# Allegro board BRD-05058-01_B04.brd (continued)
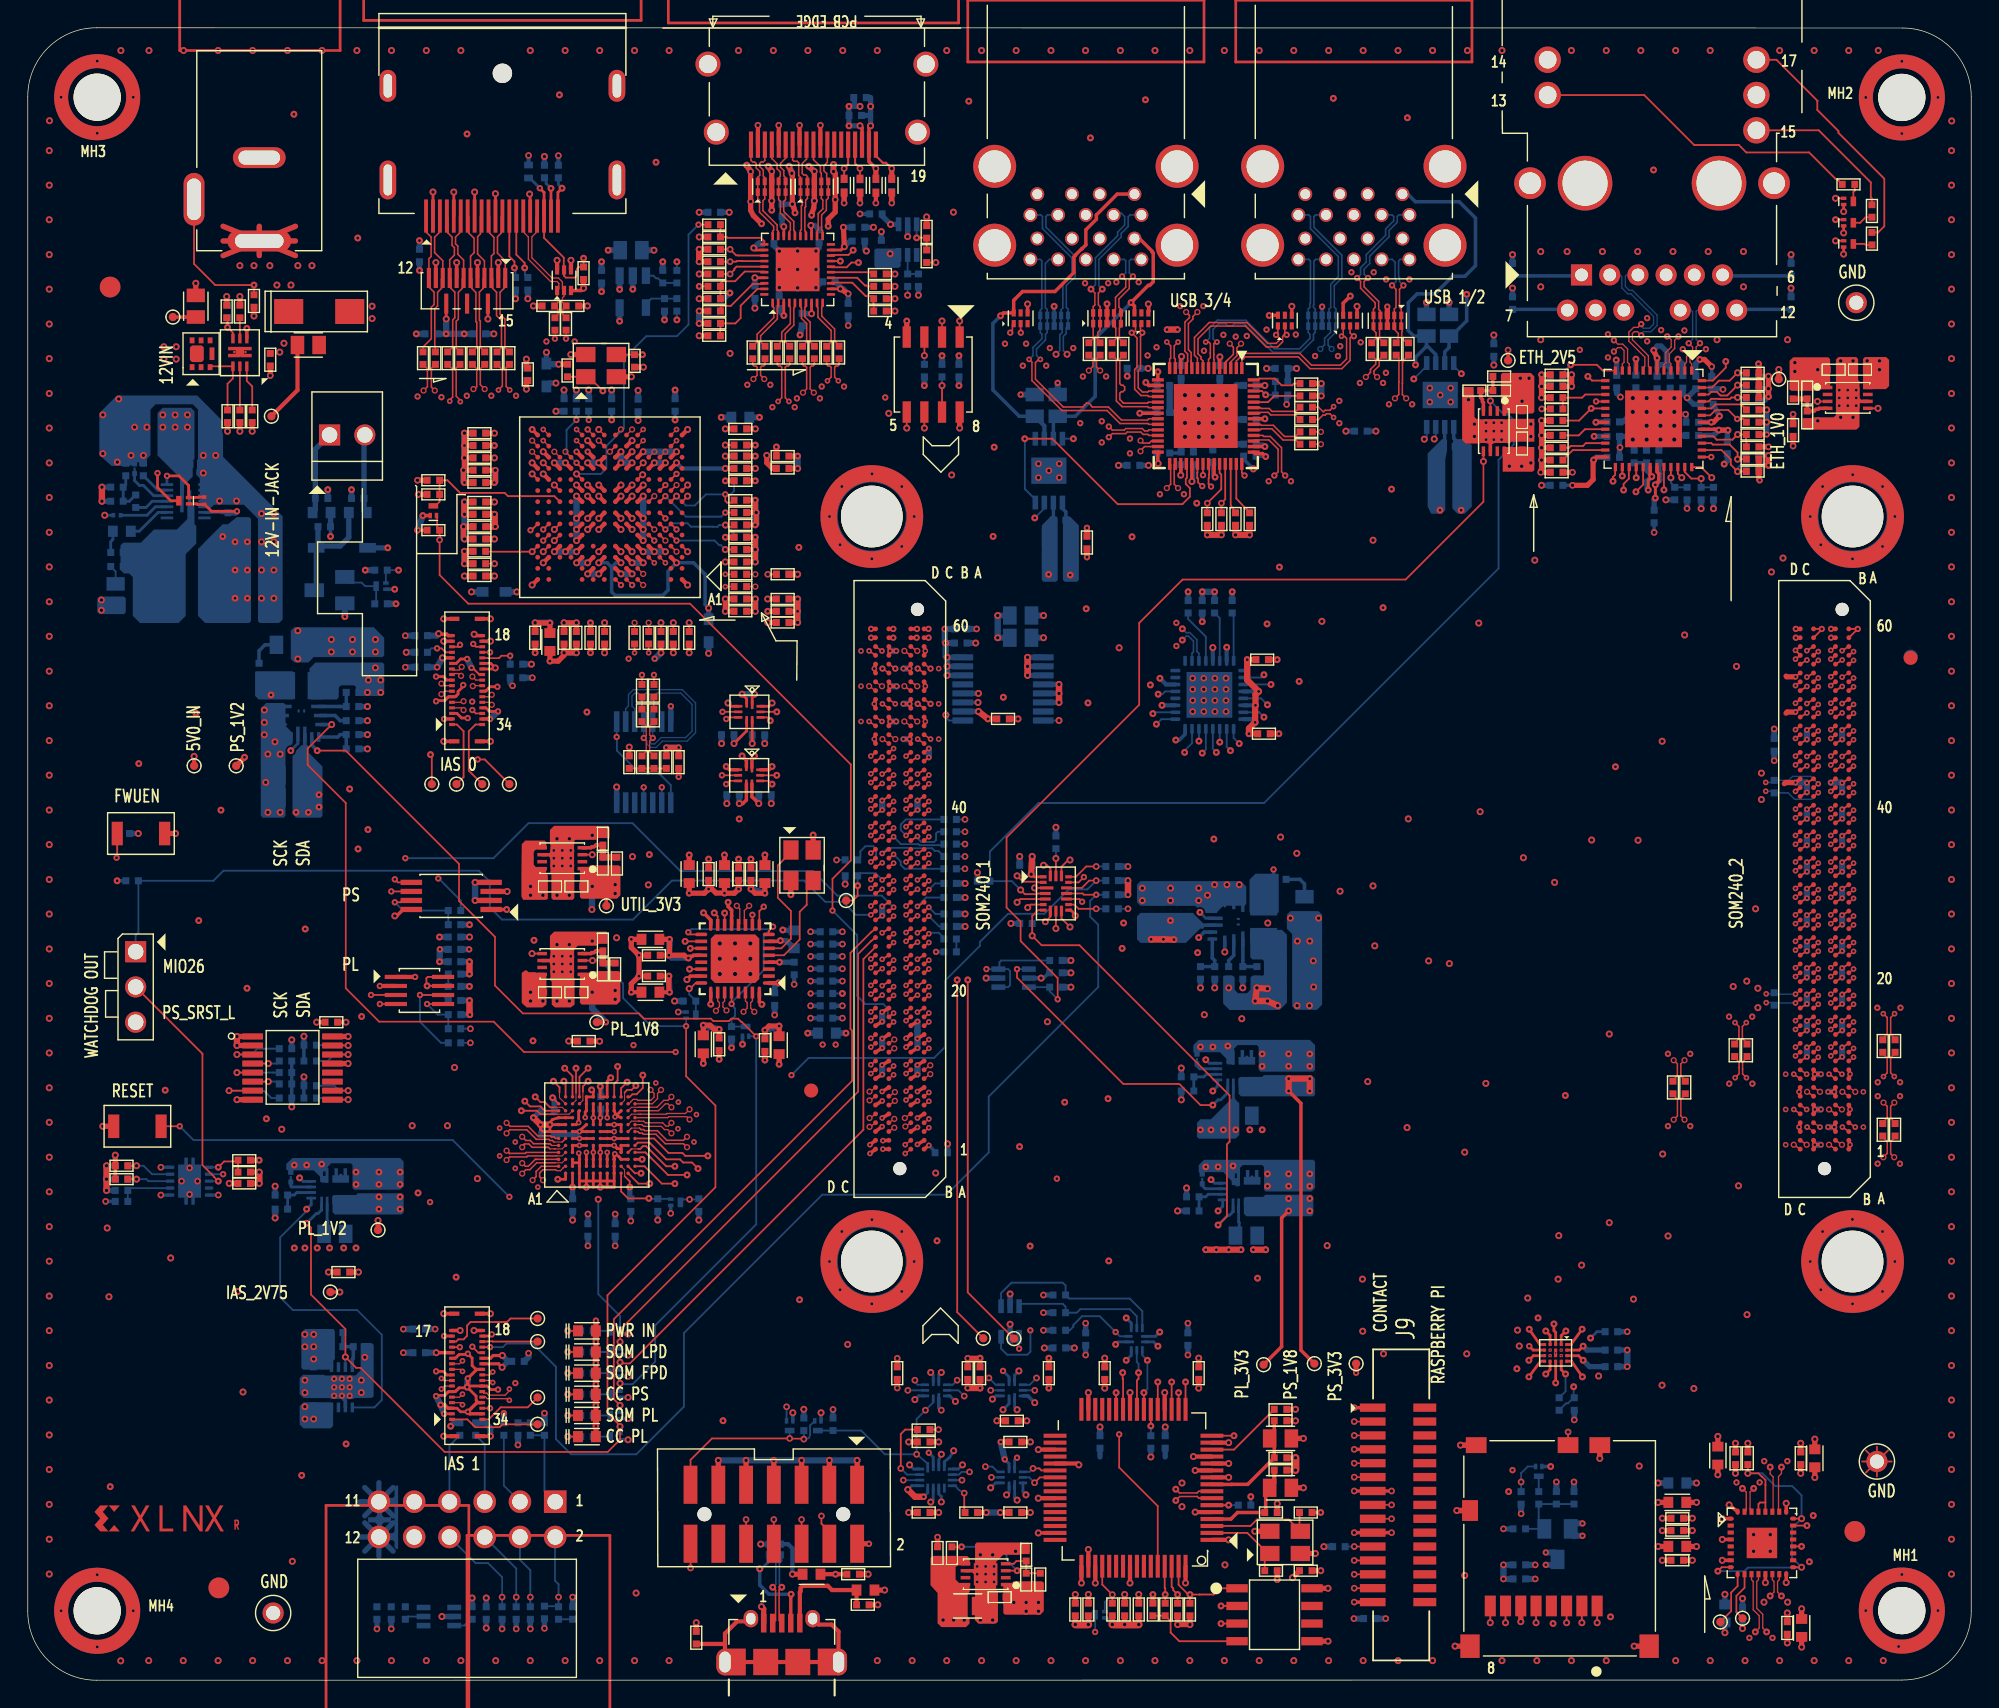
[diagram p0: board, top side]
## Routing (per net, layer and track width the routed paths; a pad name or vN(x,y) marks a point on that pad's centre or on a via; arc(x,y) is an arc through that point) (continued)
  BOTTOM w0.132: R287.2 v1(31.89,45.9)
USB_HUB_SMDAT: length 90.9
  TOP w0.127: R216.2 v1(85.99,84.76) 86.26,85.04 U43.39
  L10_SIG w0.102: v1(85.99,84.76) 84.97,83.74 84.94,83.74 79.52,78.33 49.75,78.33 49.28,77.86 46.31,77.86 35.5,67.05 34.44,67.05 25.23,57.84 25.23,53.72 25.92,53.04 27.64,53.04 31.02,49.66 31.02,47.78 v1(31.89,46.92)
  BOTTOM w0.132: R286.2 v1(31.89,46.92)
USB_JTAG_DM_N: length 42.3
  TOP w0.114: v6(53.67,6.69) 53.87,6.49 53.87,4.32 J4.2 ; v6(82.7,12.94) 82.99,13.23 84.24,13.23 84.37,13.11 U24.7
  L03_SIG w0.112: v6(53.67,6.69) 53.86,6.5 53.86,5.44 54.12,5.18 55.82,5.18 55.97,5.33 59.31,5.33 60.07,4.57 62.47,4.57 63.81,5.91 70.31,5.91 72.72,8.32 76.86,8.32 81.76,13.22 82.42,13.22 v6(82.7,12.94)
  BOTTOM w0.114: X1.2 53.82,8.58 53.89,8.51 53.89,6.92 v6(53.67,6.69)
USB_JTAG_DM_P: length 42.3
  TOP w0.114: v6(82.7,13.75) 82.97,13.48 84.23,13.48 84.36,13.61 U24.8 ; v6(54.32,6.69) 54.13,6.5 54.13,4.3 J4.3
  L03_SIG w0.112: v6(82.7,13.75) 82.42,13.48 81.66,13.48 76.76,8.57 72.61,8.57 70.2,6.16 64.99,6.16 64.88,6.27 64.88,6.39 64.77,6.5 64.55,6.5 64.44,6.39 64.44,6.27 64.32,6.16 63.7,6.16 62.36,4.82 60.17,4.82 59.41,5.58 55.87,5.58 55.72,5.43 54.23,5.43 54.12,5.54 54.12,6.5 v6(54.32,6.69)
  BOTTOM w0.114: X1.1 54.32,8.6 54.14,8.42 54.14,6.87 v6(54.32,6.69)
USB_JTAG_FLTR: length 1.9
  TOP w0.305: L4.1 v6(58.19,7.63) C87.1
  vias: v4(65.94,4.33) v4(66.7,4.33) v4(67.46,4.33)
USB_JTAG_VBUS: length 5.4
  TOP w0.381: v4(52.86,5.3) 53.02,5.14 J4.1 ; C88.1 v4(61.23,5.43) ; L4.2 v4(55.08,7.63)
  BOTTOM w0.305: X1.6 54.78,9.8 55.08,9.49 v4(55.08,7.63)
USB_JTAG_VCORE: length 7.9
  TOP w0.305: U24.12 v4(86.51,15.61) ; U24.64 v4(83.4,7) ; U24.49 v4(75.9,7) ; v4(75.72,15.51) 75.62,15.61 U24.37
  TOP w0.381: C95.1 v4(75.46,6.18) ; C97.1 v4(80.03,6.18)
  BOTTOM w0.381: C96.1 81.94,16.08 ; C98.1 77.24,16.08
USB_JTAG_VPHY: length 7.3
  TOP w0.254: U24.4 86.67,11.61 87.15,12.08 C82.1 89.18,12.15 89.18,13.57 L2.2
  TOP w0.305: C83.1 89.79,14.19 L2.2
USB_JTAG_VPLL: length 8.2
  TOP w0.254: C85.1 89.79,17.74 L3.2 89.79,17.08 C84.1 87.89,14.11 86.73,14.11 86.72,14.1 85.31,14.1 U24.9
USB_PHY_MODE1: length 2.8
  TOP w0.127: U19.12 75.4,55.86 75.7,55.55 v1(76.97,55.55)
  BOTTOM w0.132: R288.1 v1(76.97,55.55)
USB_PHY_REFCLK: length 65.7
  TOP w0.132: v6(47.67,51.21) U17.22
  L03_SIG w0.102: v6(47.67,51.21) 48.48,51.21 48.77,50.92 48.77,48.11 49.6,47.27 52.57,47.27 52.9,47.6 52.9,47.84 53.72,48.66 55.34,48.66 55.7,49.02 56.66,49.02 57.5,49.86 57.5,55.51 57.62,55.63 57.62,59.33 59.59,61.3 59.59,65.11 60.55,66.08 65.06,66.08 67.24,68.25 75.7,68.25 80.26,72.81 88.64,72.81 v6(89.05,72.4)
  BOTTOM w0.132: v6(89.05,72.4) 88.85,72.21 U37.26
USB_PHY_RESET_B: length 27.6
  TOP w0.132: U19.19 v4(74.06,59.18)
  L10_SIG w0.102: v6(89.56,71.71) 89.94,71.33 89.94,69.22 89.51,68.79 89.51,67.15 82.05,59.7 74.59,59.7 v4(74.06,59.18)
  BOTTOM w0.132: U37.27 v6(89.56,71.71) ; R210.2 v4(74.06,59.18)
USB_PRT_CTL1: length 26.7
  TOP w0.127: U43.36 85.1,87.55 85.1,86.83 85.09,86.82 85.09,86.58 85.06,86.55 85.06,86.14 v2(85.24,85.96)
  L05_SIG w0.102: v2(85.24,85.96) 85.74,85.96 87.46,87.69 88.97,87.69 88.99,87.67 99.6,87.67 v4(101.32,89.38)
  L12_SIG w0.102: v6(103.27,94.09) 103.27,91.34 v4(101.32,89.38)
  BOTTOM w0.132: v4(101.32,89.38) 101.43,89.49 U45.3 ; v6(103.27,94.09) 102.73,94.64 U45.8
USB_PRT_CTL2: length 25
  TOP w0.127: v2(84.66,86.78) U43.35
  L05_SIG w0.102: v4(100.6,89.37) 87.25,89.37 v2(84.66,86.78)
  L12_SIG w0.102: v4(100.6,89.37) 100.23,89.75 100.23,93.33 v6(99.85,93.71)
  BOTTOM w0.132: U45.5 100.78,94.64 v6(99.85,93.71) ; U45.4 100.78,89.54 v4(100.6,89.37)
USB_PRT_CTL3: length 21.8
  TOP w0.127: U43.34 84.26,86.97 84.24,86.95 84.24,86.61 84.26,86.59 84.26,86.56 84.31,86.51 84.31,86.26 84.57,85.99 v2(84.61,85.99)
  L05_SIG w0.102: v2(84.61,85.99) 84.29,85.68 83.95,85.68 83.8,85.83 82.1,85.83 81.51,86.41 78.31,86.41 v6(75.32,89.4) 74.95,89.03 74.95,86.11 v6(72.54,83.7)
  BOTTOM w0.132: v6(72.54,83.7) 73.23,84.39 U47.3 ; U47.8 v6(75.32,89.4)
USB_PRT_CTL4: length 22.3
  TOP w0.127: U43.32 83.5,87.55 83.5,86.6 83.42,86.51 83.42,86.14 83.72,85.85 83.72,85.23
  TOP w0.132: 83.72,85.23 83.18,84.7 78.51,84.7 73.8,89.4 v6(71.82,89.4)
  BOTTOM w0.132: U47.4 72.58,85.03 71.83,85.78 71.83,89.39 v6(71.82,89.4) U47.5
USB_PWRD_VCCIO: length 37.3
  TOP w0.305: U24.20 v4(81.9,20.71) ; U24.50 v4(76.4,9.41) ; U24.42 v4(72.8,13.11) ; U24.31 v4(76.4,20.71) ; U24.56 v4(79.4,7)
  TOP w0.381: L3.1 v4(91.9,17.41) ; C99.1 v4(76.4,6.18) ; C94.1 v4(93.14,7.89) ; C100.1 v4(79.02,6.18) ; C93.1 v6(73.56,21.04) ; C105.1 v4(84.35,21.03) ; C325.1 v4(72.22,12.08) ; R77.1 v4(83.72,4.01) v4(82.83,4.01) R76.1 ; C80.1 v4(65.62,17.16) ; C90.1 v1(62.63,23.18) ; C102.1 v4(77.58,21.03) ; R74.1 v6(81.05,6.17) ; C101.1 v4(71.97,18.68) ; U26.8 v4(93.67,6.62) ; R75.1 v4(91.33,19.51) ; L2.1 v4(91.9,13.86)
  BOTTOM w0.203: U65.10 71.69,13.57 v4(71.91,13.35) ; U22.4 66.03,15.73 66.43,16.07 v4(66.7,16.52) ; v4(66.83,20.08) 66.43,20.48 U25.10 ; v6(81.41,24.06) 81.11,24.36 U71.7 ; U65.7 71.09,15.85 v2(71.26,16.02) ; U71.10 79.49,23.4 v6(79.13,23.04) ; U25.7 65.63,21.98 v4(65.81,22.17) ; v4(65.81,16.27) 65.63,15.87 U22.3 ; U71.6 81.23,24.76 v6(81.54,25.07) ; U71.1 78.55,24.36 v6(78.37,24.18) ; v4(71.4,22.27) 71.09,21.97 U64.7
  BOTTOM w0.254: v4(72.54,19.99) 72.05,20.48 U64.10
  BOTTOM w0.381: R233.1 v1(58.01,19.5) ; C355.1 v1(76.21,23.42) ; R268.1 v1(73.17,25.2) ; R235.1 v4(80.9,16.08) ; C86.1 v4(73.23,23.93) ; C356.1 v1(83.57,25.71) ; R234.1 v4(55.9,19.51) ; U23.5 v4(70.76,25.63) ; R266.1 v1(73.17,27.74) ; R267.1 v1(73.17,26.47)
  vias: v4(71.03,5.6) v4(71.92,5.6) v4(71.92,4.97) v4(72.81,5.6) v4(72.81,4.97)
USB_RBIAS: length 3.6
  TOP w0.132: R221.1 91.21,93.38 91.08,93.25 90.33,93.25 89.84,93.73 88.7,93.73 88.6,93.64 U43.56
USB_SSRX1_N: length 18.6
  TOP w0.114: v3(84.85,96.37) 85.07,96.37 85.19,96.25 85.19,95.58 85.19,95.58 85.19,95.24 85.06,95.12 U43.7
  BOTTOM w0.114: v3(84.85,96.37) 85.13,96.65 85.13,97.38 85.69,97.94 85.79,97.94 85.79,97.94 87.75,97.94 89.81,95.88 91.61,95.88 92.36,96.63 92.36,96.93 92.24,97.06 U66.10 U66.1 92.24,98.74 92.36,98.87 92.36,99.13 92.4,99.17 92.4,102.21 92.29,102.32 U44.14
USB_SSRX1_P: length 18.6
  TOP w0.114: U43.6 85.46,95.09 85.44,95.12 85.44,95.48 85.44,95.48 85.44,96.25 85.55,96.37 v3(85.67,96.37)
  BOTTOM w0.114: v3(85.67,96.37) 85.61,96.37 85.39,96.59 85.39,97.28 85.79,97.68 86.3,97.68 86.45,97.53 86.76,97.53 86.91,97.68 87.64,97.68 89.7,95.63 91.72,95.63 92.62,96.53 92.62,96.93 92.74,97.06 U66.9 U66.2 92.74,98.74 92.62,98.87 92.62,99.03 92.65,99.06 92.65,102.21 92.77,102.32 U44.15
USB_SSRX2_N: length 28
  TOP w0.114: v3(82.05,96.37) 82.33,96.09 82.33,95.22 82.26,95.15 U43.14
  L12_SIG w0.112: v3(82.05,96.37) 82.33,96.09 82.33,95.15 82.95,94.53 87.12,94.53 87.71,95.11 90.86,95.11 92.21,96.46 93.28,96.46 93.39,96.35 93.39,96.15 v8(93.11,95.87)
  BOTTOM w0.114: v8(93.11,95.87) 93.42,96.17 93.42,96.63 93.85,97.06 93.85,97.4 U66.7 U66.4 93.74,98.74 93.86,98.87 93.86,100.53 94.41,101.08 94.41,102.52 92.4,104.53 92.4,105.41 92.29,105.52 U44.5
USB_SSRX2_P: length 28
  TOP w0.114: U43.13 82.66,95.15 82.59,95.22 82.59,96.09 v3(82.87,96.37)
  L12_SIG w0.112: v8(93.93,95.87) 93.65,96.15 93.65,96.46 93.39,96.72 92.11,96.72 90.75,95.37 87.6,95.37 87.02,94.78 83.06,94.78 82.59,95.25 82.59,96.09 v3(82.87,96.37)
  BOTTOM w0.114: v8(93.93,95.87) 93.76,96.03 93.76,96.05 93.67,96.14 93.67,96.53 94.16,97.01 94.16,97.43 U66.6 U66.5 94.24,98.74 94.12,98.87 94.12,100.43 94.66,100.97 94.66,102.63 92.65,104.64 92.65,105.02 92.65,105.02 92.65,105.41 92.77,105.52 U44.6
USB_SSRX3_N: length 20.4
  TOP w0.114: U43.23 80.75,90.44 80.7,90.5 78.68,90.5 77.75,91.44 74.49,91.44 72.34,93.59 72.34,94.91 v3(72.13,95.12)
  BOTTOM w0.114: v3(72.13,95.12) 72.41,95.4 72.41,95.97 73.06,96.62 73.06,96.93 72.94,97.06 U69.10 U69.1 72.94,98.66 73.05,98.77 73.05,102.21 72.93,102.32 U46.14
USB_SSRX3_P: length 20.4
  TOP w0.114: v3(72.95,95.12) 72.83,95.12 72.59,94.88 72.59,93.7 74.6,91.69 76,91.69 76.12,91.8 76.12,91.83 76.26,91.97 76.44,91.97 76.58,91.83 76.58,91.8 76.69,91.69 77.85,91.69 78.79,90.75 80.66,90.75 80.75,90.84 U43.22
  BOTTOM w0.114: U46.15 73.6,102.32 73.3,102.02 73.3,98.85 73.44,98.71 U69.2 U69.9 73.44,97.06 73.31,96.93 73.31,96.51 72.67,95.87 72.67,95.4 v3(72.95,95.12)
USB_SSRX4_N: length 32
  TOP w0.114: v5(82.87,85.85) 82.59,86.13 82.59,87.52 U43.30
  L03_SIG w0.112: v5(82.87,85.85) 82.59,85.57 82.59,85.07 82.27,84.75 78.25,84.75 74.62,88.38 74.62,93.99 74.34,94.27 74.34,95.22 v4(74.07,95.49)
  BOTTOM w0.114: U46.5 72.98,105.52 73.1,105.41 73.1,104.54 75.21,102.43 75.21,101.18 74.56,100.53 74.56,98.81 74.44,98.69 U69.4 U69.7 74.52,97.44 74.52,97.05 74.34,96.88 74.34,95.76 v4(74.07,95.49)
USB_SSRX4_P: length 32
  TOP w0.114: v5(82.05,85.85) 82.33,86.13 82.33,87.52 U43.29
  L03_SIG w0.112: v4(74.87,95.49) 74.6,95.22 74.6,94.38 74.88,94.1 74.88,88.48 78.36,85 79.91,85 80.02,85.11 80.02,85.42 80.13,85.54 80.36,85.54 80.47,85.42 80.47,85.11 80.58,85 82.16,85 82.33,85.17 82.33,85.57 v5(82.05,85.85)
  BOTTOM w0.114: v4(74.87,95.49) 74.6,95.76 74.6,96.77 74.8,96.98 74.8,97.38 U69.6 U69.5 74.94,98.74 74.81,98.87 74.81,100.43 75.46,101.08 75.46,102.53 73.35,104.64 73.35,105.4 73.47,105.52 U46.6
USB_SSTX1_C_N: length 7.3
  TOP w0.112: C280.1 98.73,96.47 98.73,96.99 98.44,97.28 U67.9 ; v2(98.28,100.45) 98.57,100.16 98.57,98.87 98.44,98.74 U67.2
  TOP w0.114: U67.9 U67.2
  BOTTOM w0.114: U44.17 98.29,102.32 98.5,102.11 98.5,100.95 98.57,100.89 98.57,100.73 v2(98.28,100.45)
USB_SSTX1_C_P: length 7.3
  TOP w0.112: C282.1 99.33,96.32 99.01,96.63 99.01,96.64 98.98,96.68 98.98,97.09 99.01,97.12 99.01,97.45 U67.10 ; U67.1 98.94,98.74 98.82,98.87 98.82,100.16 v2(99.1,100.45)
  TOP w0.114: U67.10 U67.1
  BOTTOM w0.114: U44.18 98.87,102.32 98.75,102.21 98.75,101.05 98.82,100.99 98.82,100.73 v2(99.1,100.45)
USB_SSTX1_N: length 20.5
  TOP w0.114: v5(86.59,96.25) 86.85,95.99 86.85,95.49 86.47,95.11 86.46,95.11 86.35,95 86.35,94.99 86.26,94.9 U43.4 ; C280.2 98.77,95.22 98.77,93.5 98.77,93.5 98.77,92.59 v5(98.49,92.31)
  L03_SIG w0.112: v5(98.49,92.31) 98.77,92.59 98.77,92.75 98.65,92.86 98.1,92.86 97.86,92.62 95.63,92.62 94.42,93.83 92.32,93.83 92.19,93.71 90.08,93.71 90.01,93.78 88.17,93.78 86.87,95.08 86.87,96.05 86.67,96.25 v5(86.59,96.25)
USB_SSTX1_P: length 20.5
  TOP w0.114: v5(99.3,92.31) 99.02,92.59 99.02,93.39 99.03,93.4 99.03,94.86 99.05,94.91 99.05,94.99 99.46,95.41 C282.2 ; U43.3 86.66,94.94 87.1,95.38 87.1,95.95 v5(87.4,96.25)
  L03_SIG w0.112: v5(87.4,96.25) 87.12,95.97 87.12,95.19 88.28,94.03 90.12,94.03 90.19,93.96 92.09,93.96 92.21,94.09 94.52,94.09 95.73,92.88 97.76,92.88 98,93.11 98.76,93.11 99.02,92.85 99.02,92.59 v5(99.3,92.31)
USB_SSTX2_C_N: length 11.9
  TOP w0.112: C279.2 97.13,96.63 97.13,97.04 96.94,97.23 U67.6 ; U67.5 96.94,98.74 97.07,98.87 97.07,99.19 96.01,100.24 96.01,100.73 v2(95.76,100.98)
  TOP w0.114: U67.5 U67.6
  BOTTOM w0.114: v2(95.76,100.98) 96.01,101.23 96.01,101.72 96.42,102.12 96.42,102.66 97.82,104.06 97.82,104.51 98.4,105.1 98.4,105.41 98.29,105.52 U44.8
USB_SSTX2_C_P: length 11.9
  TOP w0.112: U67.4 97.44,98.58 97.32,98.71 97.32,99.29 96.26,100.34 96.26,100.72 96.38,100.83 96.43,100.83 96.47,100.87 96.47,100.9 v2(96.54,100.98) ; U67.7 97.38,97.46 97.38,96.62 C281.2
  TOP w0.114: U67.4 U67.7
  BOTTOM w0.114: v2(96.54,100.98) 96.26,101.26 96.26,101.61 96.67,102.02 96.67,102.55 98.07,103.95 98.07,104.41 98.65,104.99 98.65,105.41 98.77,105.52 U44.9
USB_SSTX2_N: length 23.6
  TOP w0.114: v5(96.39,93.85) 96.72,94.18 96.72,94.4 97.1,94.78 97.1,95.13 C279.1 ; v5(83.45,98.53) 83.68,98.29 83.68,98.13 83.36,97.8 83.36,95.7 83.55,95.51 83.55,95 83.55,95 83.55,94.94 83.46,94.85 U43.11
  L03_SIG w0.112: v5(83.45,98.53) 83.72,98.25 83.72,97.97 84.07,97.63 86.14,97.63 87.23,98.72 89.89,98.72 90.93,97.68 91.77,97.68 93.42,96.03 93.42,95.14 93.9,94.65 96.44,94.65 96.67,94.42 96.67,94.13 v5(96.39,93.85)
USB_SSTX2_P: length 23.6
  TOP w0.114: v5(97.2,93.85) 96.98,94.07 96.98,94.29 97.36,94.67 97.36,95.09 C281.1 ; v5(84.26,98.53) 83.93,98.2 83.93,98.02 83.61,97.7 83.61,95.81 83.8,95.61 83.8,95 83.81,95 83.81,94.55 U43.10
  L03_SIG w0.112: v5(97.2,93.85) 96.92,94.13 96.92,94.53 96.54,94.91 94.01,94.91 93.67,95.24 93.67,96.14 91.88,97.93 91.03,97.93 89.99,98.97 87.12,98.97 86.03,97.88 84.17,97.88 83.98,98.08 83.98,98.25 v5(84.26,98.53)
USB_SSTX3_C_N: length 7.5
  TOP w0.112: v2(78.83,101.09) 79.1,100.83 79.1,100.32 78.36,99.58 78.36,98.74 78.25,98.63 U68.7 U68.4 78.25,97.51 78.38,97.37 78.38,96.59 C302.1
  BOTTOM w0.114: U46.17 78.99,102.32 79.1,102.21 79.1,101.35 v2(78.83,101.09)
USB_SSTX3_C_P: length 7.6
  TOP w0.112: v2(79.61,101.09) 79.35,100.83 79.35,100.22 78.61,99.48 78.61,98.87 78.75,98.73 U68.6 U68.5 78.75,97.48 78.63,97.37 78.63,96.61 C306.1
  BOTTOM w0.114: U46.18 79.46,102.32 79.35,102.21 79.35,101.35 v2(79.61,101.09)
USB_SSTX3_N: length 6.6
  TOP w0.114: U43.20 80.76,91.64 80.68,91.72 78.83,91.72 78.42,92.13 78.42,95.11 C302.2
USB_SSTX3_P: length 6.6
  TOP w0.114: U43.19 80.74,92.04 80.66,91.97 78.93,91.97 78.67,92.23 78.67,92.68 78.79,92.8 78.9,92.8 79.02,92.91 79.02,93.14 78.9,93.25 78.79,93.25 78.67,93.37 78.67,95.16 C306.2
USB_SSTX4_C_N: length 11.4
  TOP w0.112: C301.2 76.75,96.63 U68.1 U68.10 76.75,98.92 76.87,99.04 76.87,99.9 v6(76.59,100.18)
  BOTTOM w0.114: v6(76.59,100.18) 76.91,100.49 76.91,102.43 78.51,104.03 78.51,104.28 79.02,104.79 79.02,105.41 78.75,105.68 78.38,105.68 U46.8
USB_SSTX4_C_P: length 11.4
  TOP w0.112: v6(77.4,100.18) 77.12,99.9 77.12,99.04 77.25,98.92 U68.9 U68.2 77.25,97.23 77.09,97.07 77.09,96.48 C305.2
  BOTTOM w0.114: v6(77.4,100.18) 77.16,100.42 77.16,102.32 78.76,103.93 78.76,104.18 79.27,104.69 79.27,105.4 79.39,105.52 U46.9
USB_SSTX4_N: length 12.7
  TOP w0.112: v5(80.16,88.5) 80.16,88.55 80.45,88.84 80.9,88.84 U43.27
  TOP w0.114: v5(76.44,94.32) 76.74,94.61 76.74,95.12 C301.1
  L03_SIG w0.112: v5(80.16,88.5) 79.91,88.76 79.04,88.76 78.59,88.3 76.93,88.3 76.45,88.78 76.45,91.15 76.72,91.42 76.72,94.04 v5(76.44,94.32)
USB_SSTX4_P: length 12.7
  TOP w0.112: v5(80.16,89.26) 80.33,89.09 80.8,89.09 80.95,89.24 U43.26
  TOP w0.114: C305.1 76.99,95.16 76.99,94.57 v5(77.25,94.32)
  L03_SIG w0.112: v5(80.16,89.26) 79.91,89.01 78.94,89.01 78.48,88.56 77.04,88.56 76.71,88.89 76.71,89.85 76.82,89.96 76.98,89.96 77.09,90.07 77.09,90.29 76.98,90.41 76.82,90.41 76.71,90.52 76.71,91.05 76.97,91.31 76.97,94.04 v5(77.25,94.32)
USB_VBUS1: length 23.1
  TOP w0.254: v6(95.27,99.68) 94.76,99.16 X6.6
  L12_SIG w0.254: U44.10 99.85,103.82 100.19,103.49 100.19,102.88 100.25,102.81 100.25,101.66 101.29,100.62 102.82,100.62 103.64,99.8 ; v6(95.27,99.68) 100.51,99.68 100.56,99.72 100.96,99.72 101.01,99.68 102.14,99.68 102.18,99.72 102.59,99.72 102.63,99.68 103.51,99.68 103.64,99.8 ; 103.64,99.8 v6(103.66,99.8)
  BOTTOM w0.254: v6(103.66,99.8) 103.66,97.9 102.56,96.8 C274.1 102.39,95.98 102.08,95.67 U45.7
USB_VBUS2: length 37.8
  TOP w0.254: v6(89.43,98.28) 89.45,98.3 X5.6
  L10_SIG w0.254: v6(99.97,94.72) 92.18,94.72 91.67,95.24 89.53,95.24 88.72,96.05 88.72,97.57 v6(89.43,98.28)
  BOTTOM w0.254: v6(99.97,94.72) 99.97,95.26 100.76,96.05 100.76,96.14 ; 100.76,96.14 101.43,95.47 U45.6 ; 100.76,96.14 C272.1 99.85,96.8 99.45,97.19 99.45,99.2 100.08,99.84 101.37,99.84 102.64,101.11 103.53,101.11 104.29,101.87 104.29,105.3 103.12,106.47 99.97,106.47 99.41,107.02 U44.1
USB_VBUS3: length 19.8
  TOP w0.254: U46.10 80.08,103.82 80.99,102.91 80.99,102.86 81.08,102.78 81.08,100.7 80.82,100.45 80.71,100.45 v6(79.48,99.21) 79.72,98.96 X8.6
  BOTTOM w0.254: v6(79.48,99.21) 76.89,96.63 76.89,92.46 75.46,91.02 C294.1 73.88,90.71 U47.7
USB_VBUS4: length 26.6
  TOP w0.254: U46.1 78.48,107.02 76.98,105.52 76.98,105.21 76.22,104.45 76.22,103.36 75.94,103.07 75.91,103.07 75.47,102.63 75.47,102.61 75.36,102.5 75.36,101.37 74,100.01 71.66,100.01 71.02,99.37 X7.6 70.28,98.46 v6(70.08,98.26)
  BOTTOM w0.254: C293.1 71.42,91.02 69.53,92.92 69.53,97.71 v6(70.08,98.26)
  BOTTOM w0.305: C293.1 73.23,90.33 U47.6
UTIL_3V3: length 32.2
  TOP w0.254: U40.4 v4(122.07,10.14) ; v4(42.31,56.66) 41.93,56.66 41.68,56.4 TP7.1 ; U40.7 v4(122.07,8.64) ; U40.1 v4(122.07,11.64) ; v6(54.22,53.26) 54.16,53.21 U17.7 ; U17.4 v6(54.15,51.71)
  TOP w0.305: U17.1 54.08,50.21 v6(54.1,50.22)
  TOP w0.381: DS5.2 v2(40.93,18.28) ; C72.1 v6(52.09,56.98) 52.39,56.68 v6(53.1,56.68) C67.1 ; DS4.2 v2(40.93,19.78) ; C49.1 v6(69.17,69.23) ; C202.1 v4(119.91,11.66) ; C200.1 v4(119.91,10.77) ; C199.1 v4(120.21,9.63) ; DS6.2 v2(40.93,24.37) ; DS3.2 v2(40.93,21.3) ; C197.1 v4(120.21,12.81) ; DS2.2 v2(40.93,22.82) ; DS1.2 v2(40.93,25.9) ; C198.1 v4(119.91,8.64)
  TOP w0.457: v2(40.93,24.37) DS1.2 ; v2(40.93,18.28) DS4.2 ; DS2.2 v2(40.93,21.3) ; v4(68.49,69.76) v6(69.17,69.23) ; DS3.2 v2(40.93,19.78) ; DS6.2 v2(40.93,22.82)
  BOTTOM w0.381: C65.1 v6(54.15,51.71) ; C201.1 v4(120.21,14.2) ; U14.10 v4(68.49,69.76) ; C68.1 53.81,49.93 54.08,50.21 ; C71.1 54.66,53.26 v6(54.22,53.26)
  BOTTOM w0.432: R237.1 v4(46.59,48.91) ; R232.1 v6(50.7,45.55) ; 54.08,50.21 v6(54.1,50.22) ; v6(56.19,46.6) C66.1
  BOTTOM w0.457: v4(42.31,57.29) v4(42.31,56.66) ; R260.1 v6(26.52,77.52) ; v6(52.09,56.98) v6(53.1,56.68) ; v4(40.66,57.16) v4(40.64,55.5)
  vias: v4(40.66,58.43) v4(42.42,53.47) v4(43.56,59.31) v4(44.7,57.28)
WATCHDOG_CRST: length 3.9
  TOP w0.132: C52.1 v4(7.84,37.05)
  BOTTOM w0.132: U13.4 8.95,36.44 8.34,37.05 v4(7.84,37.05) C52.1
WATCHDOG_CWD: length 3.9
  BOTTOM w0.132: U13.2 7.34,35.44 7.2,35.31 R48.2 C51.1
WATCHDOG_SET0: length 3.7
  TOP w0.132: R51.1 v4(7.84,36.08)
  BOTTOM w0.132: U13.3 8.69,35.94 8.55,36.08 v4(7.84,36.08) R51.1
WATCHDOG_SET1: length 3.2
  TOP w0.132: 15.14,37.44 15.06,37.36 14.14,37.36 v6(13.73,36.94) ; 15.14,37.44 R46.2 ; 15.14,37.44 R50.1
  BOTTOM w0.132: v6(13.73,36.94) U13.6
WATCHDOG_WDO_B: length 17.1
  TOP w0.132: v6(13.73,35.94) 13.41,36.25 13.41,36.26 12.58,37.09 12.58,45.11 J1.2
  BOTTOM w0.132: v6(13.73,35.94) U13.8
N911043: length 3.5
  TOP w0.132: U36.44 121.29,91.59 121.58,91.88 123.42,91.88 123.8,91.49 R102.2
N911641: length 3.2
  TOP w0.132: U36.20 112.18,90.09 111.73,89.64 R113.2
N911645: length 3.2
  TOP w0.132: U36.22 112.24,89.09 112.04,88.88 111.15,88.88 111.03,88.76 R114.2
N911649: length 3.4
  TOP w0.132: R115.2 110.58,87.87 111.3,88.59 U36.23
N911753: length 4.8
  TOP w0.132: U36.12 113.45,94.31 113.04,94.72 v6(111.15,94.72)
  BOTTOM w0.132: R126.1 110.58,94.16 v6(111.15,94.72)
N931047: length 4.4
  TOP w0.132: U18.3 v4(15.07,45.06)
  BOTTOM w0.132: v4(15.07,45.06) 16.11,45.06 16.53,45.48 R61.2
N931373: length 5.4
  TOP w0.132: U16.8 28.81,50.65 28.72,50.55 28.72,50.19 28.75,50.15 28.75,50 v6(28.77,50) 29.91,50 U16.7
  BOTTOM w0.132: R54.2 C73.1 30.25,50 v6(28.77,50)
N994749: length 3.9
  BOTTOM w0.254: J10.12 123.16,98.72 C168.1
N994757: length 5
  BOTTOM w0.254: J10.6 122.16,101.13 C169.1
N994769: length 5
  BOTTOM w0.254: J10.1 111.86,101.13 C170.1
N994773: length 4
  BOTTOM w0.254: J10.7 110.85,98.72 C171.1
N998662: length 1.3
  TOP w0.132: R112.1 131.61,107.27 131.51,107.17 Q2.3
N998666: length 1.4
  TOP w0.132: R124.1 132.4,103.36 132.33,103.43 Q3.3
N998670: length 1.5
  TOP w0.132: Q4.3 132,104.96 132.4,105.36 R127.1
N1061928: length 5.4
  TOP w0.132: R66.1 63.21,18.05 62.89,17.73 v1(62.89,15.25)
  BOTTOM w0.132: v1(62.89,15.25) 63.34,14.81 U22.15
N1062590: length 7.1
  TOP w0.254: J4.4 54.97,6.17 v6(54.99,6.19)
  BOTTOM w0.203: X1.3 53.32,8.48 52.86,8.02 v6(52.73,8.02)
  BOTTOM w0.254: v6(52.73,8.02) 52.73,6.85 53.39,6.19 v6(54.99,6.19)
N1063132: length 19.1
  TOP w0.305: R73.1 50.21,2.61 50.23,2.59 ; 50.23,2.59 50.23,3.36 51.1,4.24 51.89,4.24 J4.10 ; 50.23,2.59 J4.9 J4.8 J4.7 J4.6 58.41,3.51 57.91,4.01 56.97,4.01 J4.11
N1063364: length 7.8
  TOP w0.305: C88.2 L5.2 57.94,6.49 57.63,6.8 55.83,6.8 55.67,6.64 55.67,6.4 55.62,6.34 J4.5
N1063872: length 5.7
  TOP w0.132: R75.2 86.89,16.61 U24.14
N1063914: length 7.3
  TOP w0.132: U26.4 82.95,2.81 82.33,3.43 82.33,4.26 81.94,4.64 R78.1 R74.2
N1063918: length 7.5
  TOP w0.132: U26.2 v6(85.96,5.35) ; U24.62 82.4,6.72 82.52,6.61 82.52,6.48 v6(82.83,6.17) R76.2
  L03_SIG w0.102: v6(85.96,5.35) 83.65,5.35 v6(82.83,6.17)
N1063922: length 6.7
  TOP w0.132: R77.2 v6(83.72,6.17) ; v6(83.72,6.17) 83.72,6.17 83.6,6.17 82.9,6.87 U24.63 ; v6(83.72,6.17) 84.42,6.17 84.42,6.17 85.43,6.17 85.88,6.62 U26.1
N1064088: length 8.7
  TOP w0.132: R78.2 v6(81.94,6.17) 81.94,6.61 81.9,6.65 U24.61 ; U26.3 v6(85.96,4.08)
  L03_SIG w0.102: v6(81.94,6.17) 83.4,4.71 84.55,4.71 85.18,4.08 v6(85.96,4.08)
N1064220: length 6.2
  TOP w0.132: U24.2 87.86,10.61 89.34,9.13 X2.1 89.11,8.76 C103.1
N1064316: length 8.2
  TOP w0.132: U24.3 88.08,11.11 88.54,11.57 90.83,11.57 91.61,10.79 ; 91.61,10.79 C104.1 ; 91.61,10.79 X2.3
N1064420: length 1.9
  TOP w0.132: U24.6 v6(86.5,12.61)
  BOTTOM w0.132: R79.2 v6(86.5,12.61)
N1366089: length 9
  BOTTOM w0.381: L9.2 23.13,82.3 22.5,81.68 20.91,81.68 ; Q18.3 20.78,78.64 D2.2 20.91,81.68 ; 20.91,81.68 20.91,81.68 C208.2
N1371512: length 8.8
  TOP w0.132: R80.2 v4(41.55,76.15)
  TOP w0.305: U27.D6 v4(43.53,81.27)
  L03_SIG w0.305: v4(41.55,76.15) 41.93,76.53 41.93,81.55 42.31,81.93 42.87,81.93 v4(43.53,81.27)
N1371516: length 4.9
  TOP w0.305: U27.L2 v4(46.73,87.67)
  TOP w0.381: R81.2 v4(50.25,87.26)
  BOTTOM w0.305: v4(50.25,87.26) 47.14,87.26 v4(46.73,87.67)
N1371642: length 5.5
  TOP w0.305: U27.M9 v2(40.33,88.47)
  L10_SIG w0.305: v2(40.33,88.47) 41.12,88.47 41.69,89.04 41.69,90.3 41.24,90.75 v2(40.41,90.75)
  BOTTOM w0.132: R84.2 v2(40.41,90.75)
N1371738: length 11.4
  TOP w0.127: Q22.3 29.37,84.57 29.67,84.87 R168.2 C239.1
  TOP w0.132: U27.H12 37.93,85.27 34.59,85.27 34.36,85.5 31.15,85.5 30.23,86.41 C239.1
N1375606: length 2
  TOP w0.132: U31.3 v4(64.59,95.39)
  BOTTOM w0.132: R87.2 v4(64.59,95.39)
N1375610: length 2.5
  TOP w0.132: U31.7 v4(65.86,93.23)
  BOTTOM w0.132: R88.2 v4(65.86,93.23)
N1394837: length 6.9
  TOP w0.132: R155.1 v4(47.65,76.15) ; U27.D2 v5(46.73,81.27)
  L03_SIG w0.102: v5(46.73,81.27) 47.27,80.74 47.27,80.15 47.01,79.9 47.01,77.99 47.65,77.36 v4(47.65,76.15)
N1434920: length 3
  TOP w0.203: J6.19 v6(37.69,107.43)
  BOTTOM w0.203: v6(37.69,107.43) 37.34,107.79 37.34,108.08 R200.1
N1442575: length 7.7
  TOP w0.132: U27.E3 v5(45.93,82.07) ; R169.1 v4(46.51,76.15)
  L03_SIG w0.102: v5(45.93,82.07) 45.56,81.69 45.56,80.31 46.51,79.36 v4(46.51,76.15)
N1569020: length 3.5
  BOTTOM w0.132: U37.24 86.87,76.75 R213.1
N1569323: length 3.6
  BOTTOM w0.132: R209.2 85.87,76.48 U37.22
N1569805: length 4
  BOTTOM w0.132: C278.2 83.59,76.42 84.87,75.14 U37.20
N1589278: length 7.9
  TOP w0.132: R176.1 v4(50.25,88.95) ; U27.L5 v4(44.33,87.67)
  L12_SIG w0.102: v4(44.33,87.67) 44.74,88.07 47.36,88.07 47.69,87.74 49.04,87.74 v4(50.25,88.95)
N1589300: length 4.9
  TOP w0.132: U27.L10 v2(39.53,87.67)
  BOTTOM w0.132: v2(39.53,87.67) 38.81,88.39 38.81,90.05 v2(39.52,90.75) R175.2
N1592727: length 2.7
  TOP w0.132: R171.1 R173.1 R172.1 46,65.66 R170.2
N1672169: length 6.1
  BOTTOM w0.132: C368.1 109.25,10.9 Q14.1 108.85,10.9 R272.1 R236.2 C367.2
N1690498: length 1.2
  BOTTOM w0.132: Q6.3 R157.1
N1690502: length 1.7
  TOP w0.132: DS1.1 v4(38.9,25.16)
  BOTTOM w0.132: R157.2 v4(38.9,25.16)
N1690608: length 1.2
  BOTTOM w0.132: Q7.3 R158.1
N1690612: length 1.7
  TOP w0.132: DS2.1 v4(38.9,22.11)
  BOTTOM w0.132: v4(38.9,22.11) R158.2
N1690718: length 1.2
  BOTTOM w0.132: Q8.3 R159.1
N1690722: length 1.7
  TOP w0.132: DS3.1 v4(38.9,20.59)
  BOTTOM w0.132: R159.2 v4(38.9,20.59)
N1690828: length 1.2
  BOTTOM w0.132: Q9.3 R160.1
N1690832: length 1.7
  TOP w0.132: DS4.1 v4(38.9,19.06)
  BOTTOM w0.132: R160.2 v4(38.9,19.06)
N1690938: length 1.2
  BOTTOM w0.132: Q10.3 R161.1
N1690942: length 1.7
  TOP w0.132: DS5.1 v4(38.9,17.54)
  BOTTOM w0.132: v4(38.9,17.54) R161.2
N1766802: length 3.2
  BOTTOM w0.203: R33.1 8.03,82.74 9.39,84.1 U6.2
N1766806: length 1.6
  BOTTOM w0.203: R33.2 6.13,82.15 5.97,81.99 C37.1
N1766990: length 4.5
  TOP w0.203: R265.2 12.32,85.2 12.31,85.18 12.03,85.18 12.01,85.17 Q21.2 11.58,86.04 10.89,86.73 v2(10.03,86.73)
  BOTTOM w0.203: U6.7 v2(10.03,86.73)
N1767106: length 3
  BOTTOM w0.203: R31.1 7.06,86.1 R30.2 C39.2 7.31,84.9 7.76,85.35 R32.2
N1767370: length 1.4
  BOTTOM w0.132: R223.1 6.33,79.85 C319.2
N1779575: length 2.3
  BOTTOM w0.254: C320.2 16.66,74.13 17.09,74.56 R224.1
N1784249: length 2.4
  BOTTOM w0.203: R225.1 91.97,56.53
  BOTTOM w0.254: C321.2 91.64,57.67 91.97,57.34 91.97,56.53
N1926673: length 24.2
  TOP w0.132: U40.29 124.67,12.69 124.79,12.8 125.17,12.8 ; v6(121.75,7.85) 122.03,8.14 U40.8 ; 125.17,12.8 125.17,14.06 125.18,14.07 125.18,14.42 124.93,14.67 124.91,14.67 124.67,14.9 v4(123.91,14.9) R240.1 ; 125.17,12.8 U40.28 ; U40.17 v4(127.78,8.14) ; U40.24 v4(127.78,11.64)
  BOTTOM w0.132: v4(123.91,14.9) 124.97,14.9 125.88,13.98 127.1,13.98 127.78,13.3 v4(127.78,11.64) 127.08,10.94 127.08,8.83 v4(127.78,8.14) 127.75,8.11 123.91,8.11 123.65,7.85 v6(121.75,7.85)
